# KiCad board BB3plus CM5 STM32H7 module.kicad_pcb (continued)
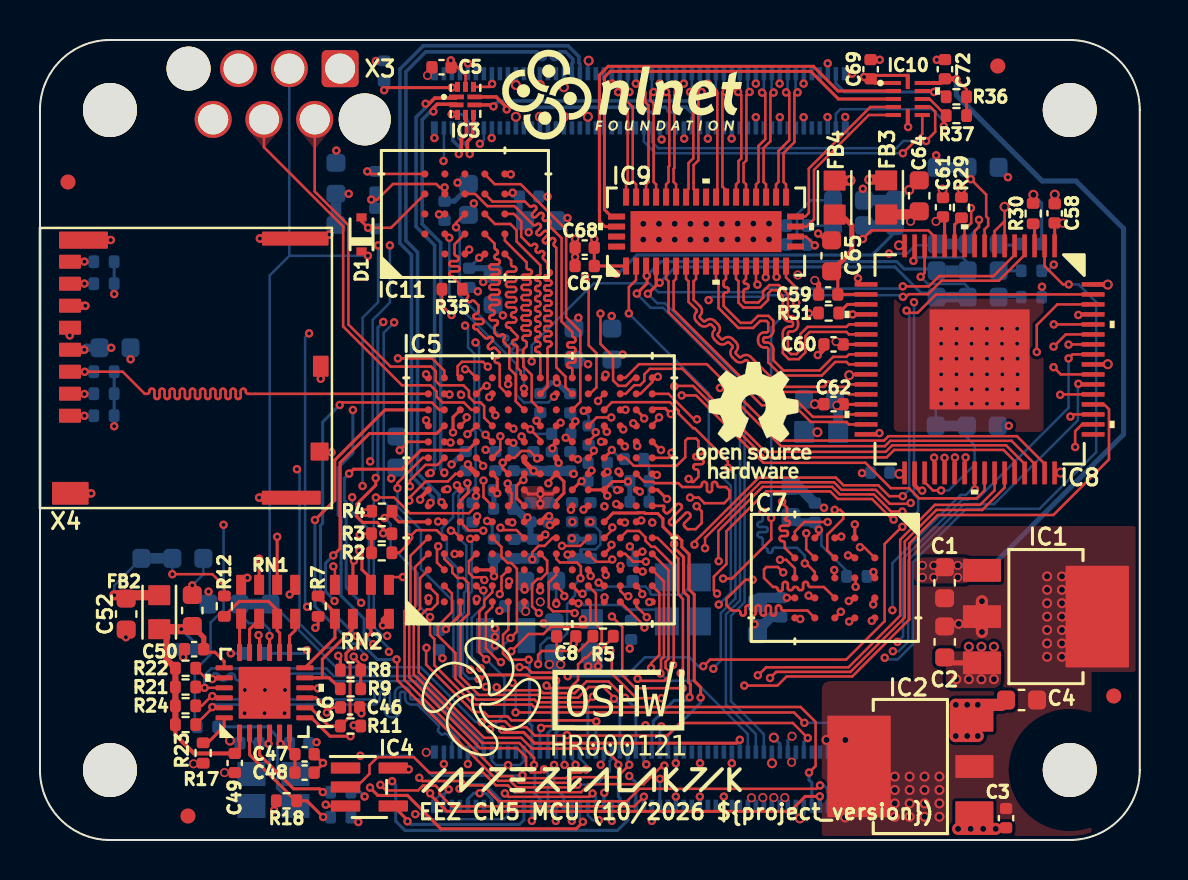
[diagram p0: board, top side]
## Routing (per net, layer and track width the routed paths; a pad name or vN(x,y) marks a point on that pad's centre or on a via; arc(x,y) is an arc through that point) (continued)
  In2signal.Cu w0.127: v1(27.91,21.95) 28.05,22.09 28.66,22.09 29.28,22.71 31.69,22.71 v1(31.72,22.68)
LTDC_HSYNC: length 43
  Top w0.127: 22.18,15.49 21.44,15.49 IC5.C6 ; v1(43.16,27.16) 43.31,27.16 43.44,27.29 44.41,27.29 45.09,27.97 47.96,27.97 49.24,29.25 IC8.4
  Top w0.152: 22.18,15.49 22.18,15.47 v1(22.17,15.46)
  In2signal.Cu w0.127: v1(21.26,25.72) 21.37,25.83 25.53,25.83 26.42,26.72 33.02,26.72 33.29,26.99 v1(33.44,26.99)
  Bottom w0.127: v1(43.16,27.16) 43.02,27.16 42.94,27.24 36.29,27.24 36.21,27.16 33.6,27.16 v1(33.44,26.99) ; v1(22.17,15.46) 22.16,15.45 21.33,15.45 21.15,15.63 21.15,17.13 21.38,17.36 21.43,17.36 21.78,17.71 21.78,18.19 21.79,18.19 21.79,20.41 21.73,20.47 21.73,24.31 21.41,24.63 21.41,25.57 v1(21.26,25.72)
LTDC_R0: length 32.3
  Top w0.127: IC8.43 48.24,17.62 47.12,16.5 44.83,16.5 43.25,14.92 43.25,11.13 40.53,8.4 36.81,8.4 v1(36.51,8.1) ; v1(26.22,12.19) 26.22,12.31 IC5.J2
  In2signal.Cu w0.127: v1(26.22,12.19) 26.22,10.79 26.8,10.21 29.38,10.21 29.65,9.95 29.65,9.95 29.87,9.73 29.87,9.72 30.18,9.41 33.91,9.41 35.2,8.12 35.48,8.12 35.74,7.86 36.27,7.86 v1(36.51,8.1)
LTDC_R1: length 33
  Top w0.127: IC5.J3 25.82,13.26 25.44,12.88 25.44,11.65 25.66,11.43 26.65,11.43 v1(26.74,11.35) ; v1(35.9,8.24) 35.92,8.24 36.31,8.63 40.43,8.63 43.02,11.22 43.02,15.02 44.76,16.76 47.02,16.76 47.74,17.48 IC8.42
  In2signal.Cu w0.127: v1(35.9,8.24) 35.76,8.38 35.3,8.38 33.66,10.02 29.9,10.02 29.74,10.17 29.74,10.17 29.47,10.44 26.97,10.44 26.74,10.67 v1(26.74,11.35)
LTDC_R2: length 37.1
  Top w0.127: IC5.B3 19.86,13.87 19.86,14.63 v1(19.92,14.69) ; IC8.41 47.24,17.48 46.84,17.08 43.97,17.08 43.46,17.59 42.55,17.59 41.28,18.86 36.18,18.86 32.81,22.23 v1(32.09,22.23)
  In2signal.Cu w0.127: v1(32.09,22.23) 29.14,22.23 28.67,21.76 28.29,21.76 27.02,20.49 25.73,20.49 24.96,19.72 24.96,19.72 24.26,19.02 24.25,19.02 23.79,18.56 23.79,16.29 24.01,16.07 24.01,15.44 23.28,14.71 21.69,14.71 21.67,14.69 19.92,14.69 v1(19.92,14.69)
LTDC_R3: length 26.8
  Top w0.127: v1(46.76,17.52) 46.74,17.54 IC8.40 ; IC5.M3 28.3,13.43 v1(28.3,13.25)
  In2signal.Cu w0.127: v1(42.63,11.49) 42.63,10.88 41.4,9.65 35.92,9.65 35.32,10.25 35.32,11.04 34.4,11.97 34.4,12.46 34.16,12.69 34,12.69 33.67,13.03 28.52,13.03 v1(28.3,13.25)
  Bottom w0.127: v1(46.76,17.52) 46.58,17.52 46.3,17.25 46.04,17.25 42.63,13.85 v1(42.63,11.49)
LTDC_R4: length 33.5
  Top w0.127: IC8.39 46.24,19.08 v1(46.29,19.13)
  Top w0.152: v1(20.74,14.3) 20.74,14.31 IC5.C4 21.08,14.31
  In2signal.Cu w0.127: v1(20.74,14.3) 21.61,14.3 21.78,14.48 23.4,14.48 24.79,15.87 24.79,16.06 26.32,17.59 26.32,19.46 28.36,21.5 28.74,21.5 29.17,21.94 31.77,21.94 31.88,21.83 32.34,21.83 33.49,22.98 35.63,22.98 39.38,19.23 44.06,19.23 44.57,18.72 45.88,18.72 v1(46.29,19.13)
LTDC_R5: length 27.1
  Top w0.127: v1(24.09,20.18) 24.04,20.13 24.04,20.08 IC5.G11 ; v1(45.76,19.12) 45.74,19.11 IC8.38
  In2signal.Cu w0.127: 26.86,22.59 26.99,22.73 ; 26.86,22.59 27.05,22.79 28.39,22.79 29.61,24.01 35.6,24.01 38.32,21.29 39.35,21.29 40.72,19.92 45.09,19.92 45.76,19.25 v1(45.76,19.12) ; 26.86,22.59 26.05,21.79 25.06,21.79 24.09,20.82 v1(24.09,20.18)
LTDC_R6: length 28.8
  Top w0.127: IC5.E10 23.02,19.51 v1(23.02,20.19) ; IC8.37 45.24,19.11 v1(45.24,19.11)
  In2signal.Cu w0.127: v1(45.24,19.11) 45.24,19.17 44.72,19.69 40.62,19.69 39.25,21.06 38.22,21.06 35.51,23.77 29.69,23.77 28.48,22.56 27.15,22.56 26.15,21.56 25.6,21.56 25.29,21.25 25.29,20.7 24.07,19.48 23.3,19.48 23.02,19.76 v1(23.02,20.19)
LTDC_R7: length 29.5
  Top w0.127: v1(44.71,19.12) 44.74,19.09 IC8.36 ; v1(20.53,19.87) 20.5,19.91 IC5.B11
  In2signal.Cu w0.127: v1(20.53,19.87) 20.54,19.88 22.57,19.88 23.2,19.25 24.16,19.25 25.52,20.61 25.52,20.61 25.52,21.15 25.7,21.33 26.25,21.33 27.25,22.33 28.58,22.33 29.79,23.54 35.41,23.54 38.12,20.83 39.15,20.83 40.52,19.46 44.37,19.46 v1(44.71,19.12)
  Bottom w0.127: v1(44.71,19.12) 44.71,19.12
LTDC_VSYNC: length 34
  Top w0.127: v1(21.34,21.14) 21.38,21.1 21.38,21.06 IC5.C12 ; v1(43.15,27.68) 43.15,27.68 44.45,27.68 44.97,28.2 47.69,28.2 48.74,29.25 IC8.5
  In2signal.Cu w0.127: v1(21.34,21.14) 21.39,21.18 21.42,21.18 21.6,21 22.47,21 22.68,20.79 23.01,20.79 24.59,22.38 24.59,22.99 24.59,22.99 v1(24.59,23.93)
  Bottom w0.127: v1(43.15,27.68) 43.04,27.57 36.26,27.57 36.08,27.39 30.92,27.39 30.47,27.84 27.7,27.84 24.59,24.73 v1(24.59,23.93) 24.51,24.01
MCU_USB_ID: length 22.9
  Top w0.127: v1(20.37,17.54) 20.27,17.54 20.24,17.51 IC5.B8
  In2signal.Cu w0.127: v1(16.51,18.93) 16.52,18.92 18.15,18.92 19.61,17.46 20.21,17.46 20.26,17.5 20.33,17.5 v1(20.37,17.54) ; v1(17.5,29.73) 17.5,31.27 v1(20.18,33.95)
  Bottom w0.127: v1(17.5,29.73) 17.5,26.87 16.64,26.01 16.64,19.17 16.51,19.04 v1(16.51,18.93) ; X2.101 20.2,33.97 v1(20.18,33.95) ; v1(20.37,17.54) 20.37,17.6
MCU_USB_VBUS: length 27.1
  Top w0.127: v1(18.47,16.97) 18.52,17.02 18.52,17.16 19.29,17.93 20.4,17.93 20.76,18.29 20.76,18.3 20.77,18.31 IC5.C9
  In2signal.Cu w0.127: v1(22,34.81) 20.47,34.81 16.91,31.25 v1(16.91,29.73) ; v1(16.13,17.7) 17.07,17.7 17.8,16.97 v1(18.47,16.97)
  Bottom w0.127: v1(16.91,29.73) 16.91,26.89 16.13,26.11 v1(16.13,17.7) ; X2.111 22.2,35.01 v1(22,34.81)
REAR_DVID_CEC: length 16.2
  Top w0.127: v1(43.15,34.34) 44.12,35.31 IC10.7
  Bottom w0.127: X2.151 30.2,34.92 30.78,34.34 v1(43.15,34.34)
REAR_DVID_CLK_N: length 6.7
  Top w0.127: IC9.22 37.31,32.78 37.19,32.91 37.19,34.35 37.73,34.89 37.73,37.35 37.89,37.51
  Bottom w0.127: 37.8,38.5 37.79,38.49 37.79,37.61 37.89,37.51
  vias: v1(37.89,37.38)
REAR_DVID_CLK_P: length 6.7
  Top w0.127: 37.31,37.51 37.47,37.35 37.47,34.99 36.93,34.45 36.93,32.91 36.81,32.78 IC9.23
  Bottom w0.127: 37.39,38.49 37.39,37.59 37.31,37.51
  vias: v1(37.31,37.38)
REAR_DVID_HPD: length 17.1
  Top w0.127: v1(44.31,34.95) 44.77,35.41 44.77,36.42 44.54,36.65 IC10.8
  Bottom w0.127: X2.153 30.6,34.91 30.92,34.59 42.82,34.59 43.18,34.95 v1(44.31,34.95)
REAR_DVID_SCL: length 6.8
  Top w0.127: 44.23,37.45 44.66,37.45 v1(44.71,37.4) 45.08,37.4 R36.1
  Bottom w0.152: X2.200 39.8,37.83 40.23,37.4 v1(44.71,37.4)
REAR_DVID_SDA: length 8.6
  Top w0.127: 44.5,37.05 IC10.9 44.49,37.05 R37.1
  Bottom w0.127: v1(45.2,35.7) 45.2,35.95 44.61,36.54 40.03,36.54 39.8,36.31 X2.199
REAR_DVID_TX0_N: length 6.7
  Top w0.127: IC9.24 36.31,32.78 36.19,32.91 36.19,34.6 36.53,34.94 36.53,37.34 36.69,37.5
  Bottom w0.127: 36.69,37.5 36.59,37.6 36.59,38.49 36.6,38.5
  vias: v1(36.69,37.37)
REAR_DVID_TX0_P: length 6.7
  Top w0.127: 36.11,37.5 36.27,37.34 36.27,35.04 35.93,34.7 35.93,32.91 35.81,32.78 IC9.25
  Bottom w0.127: 36.11,37.5 36.2,37.59 36.2,38.5
  vias: v1(36.11,37.37)
REAR_DVID_TX1_N: length 6.5
  Top w0.127: 35.49,37.48 35.49,37.51 ; v1(35.49,37.4) 35.33,37.24 35.33,33.98 35.19,33.84 35.19,32.91 35.31,32.78 IC9.26
  Bottom w0.127: 35.49,37.51 35.4,37.6 35.4,38.5
REAR_DVID_TX1_P: length 6.5
  Top w0.127: v1(34.91,37.4) 35.07,37.24 35.07,34.08 34.93,33.94 34.93,32.91 34.81,32.78 IC9.27 ; 34.93,37.49 34.91,37.51
  Bottom w0.127: 34.91,37.51 35,37.6 35,38.5
REAR_DVID_TX2_N: length 6.5
  Top w0.127: IC9.28 34.31,32.49 34.13,32.67 34.13,37.35 34.29,37.51
  Bottom w0.127: 34.2,38.5 34.2,37.6 34.29,37.51
  vias: v1(34.29,37.4)
REAR_DVID_TX2_P: length 6.5
  Top w0.127: IC9.29 33.87,32.21 33.87,37.35 33.71,37.51
  Bottom w0.127: 33.8,38.5 33.8,37.6 33.71,37.51
  vias: v1(33.71,37.4)
RS485_RX/DIN3: length 40.8
  Top w0.152: IC5.C13 20.66,21.14 v1(20.66,20.38) ; v1(27.15,0.91) 27.15,0.89 26.82,0.56 20.05,0.56 18.38,2.23 16.89,2.23 v1(16.5,2.62)
  In2signal.Cu w0.152: v1(16.5,2.62) 16.48,2.64 16.48,8.87 v1(16.21,9.14) ; v1(12.85,18.54) 14.68,20.37 20.65,20.37 v1(20.66,20.38)
  Bottom w0.127: v1(12.85,18.54) 12.98,18.41 12.98,10.82 14.19,9.62 15.36,9.62 15.41,9.56 15.99,9.56 16.21,9.33 v1(16.21,9.14) ; v1(27.15,0.91) 27,1.06 X1.35
RS485_TX/DOUT3: length 38.4
  Top w0.127: v1(14.99,21.75) 15.12,21.88 19.6,21.88 19.97,21.51 IC5.B13 ; v1(27.31,3.53) 27.21,3.53 27.05,3.37 26.59,3.37 26.31,3.09 24.28,3.09 v1(24.13,3.24)
  In2signal.Cu w0.127: v1(16.02,4.21) 15.78,4.21 14.75,5.24 14.75,7.81 14.54,8.02 14.54,9.42 15.32,10.2 v1(15.83,10.2)
  Bottom w0.127: v1(27.31,3.53) 27.31,3.77 27,4.08 X1.36 ; v1(24.13,3.24) 24.11,3.22 19.62,3.22 18.63,4.21 v1(16.02,4.21)
  Bottom w0.152: 15.66,10.36 14.03,12 14.03,15.73 14.14,15.84 14.14,20.9 v1(14.99,21.75)
RS485_TX_EN/DOUT2: length 33.5
  Top w0.127: IC5.M13 28.6,21.89 31.51,21.89 31.94,21.46 31.94,21.32 32.67,20.59 32.74,20.59 34.4,18.93 v1(34.4,18.61)
  In2signal.Cu w0.152: v1(33.68,8.56) 33.65,8.54 33.65,3.54 32.75,2.64 31.41,2.64 29.26,0.49 26.27,0.49 v1(25.8,0.96)
  Bottom w0.127: v1(34.4,18.61) 34.78,18.23 34.78,12.64 34.78,12.63 34.78,12.08 34.05,11.35 34.05,8.97 33.68,8.6 v1(33.68,8.56)
  Bottom w0.152: 25.8,1.5 v1(25.8,0.96)
RTC_CM5: length 25.6
  Top w0.127: v1(22.18,12.48) 22.05,12.48 IC5.D2 ; v1(23.79,6.38) 37.71,6.38 v1(38.23,5.86)
  In2signal.Cu w0.127: v1(22.03,8.59) 22.8,8.59 23.54,7.85 23.64,7.85 v1(23.64,7.86)
  Bottom w0.127: v1(38.23,5.86) 39.44,5.86 39.8,5.5 X1.100 ; 22,8.76 21.59,9.17 21.59,11.1 22.22,11.73 22.22,12.44 v1(22.18,12.48) ; v1(23.64,7.86) 23.79,7.71 23.79,6.38 v1(23.79,6.38)
SCL: length 73.2
  Top w0.127: IC5.C5 20.66,15.47 v1(20.55,15.47)
  Top w0.152: 17.15,15.45 17.16,15.46 ; 17.15,15.45 17.16,15.46 ; 17.15,15.45 17.16,15.45 ; 17.15,15.45 17.16,15.45 ; 17.16,15.46 17.16,15.46 ; 17.16,15.46 17.16,15.46 ; 17.16,15.47 17.16,15.47 ; 17.16,15.47 17.16,15.47 ; 17.16,15.47 17.16,15.47 ; 17.16,15.47 17.16,15.47 ; 17.16,15.47 17.16,15.47 ; 17.16,15.47 17.16,15.47 ; 17.16,15.48 17.16,15.48 ; 17.16,15.48 17.16,15.48 ; 17.16,15.48 17.16,15.48 ; 17.16,15.48 17.16,15.48 ; 17.16,15.48 17.16,15.47 ; 17.16,15.48 17.16,15.47 ; 17.12,15.4 17.16,15.44 ; 17.12,15.4 17.14,15.4 ; 17.12,15.4 17.16,15.44 ; 17.12,15.4 17.14,15.4 ; 17.16,15.44 17.16,15.44 ; 17.16,15.44 17.16,15.44 ; 17.16,15.49 17.16,15.49 ; 17.16,15.49 17.16,15.49 ; 17.16,15.49 17.16,15.49 ; 17.16,15.49 17.16,15.49 ; 17.16,15.49 17.16,15.58 16.86,15.88 16.14,15.88 15.85,16.17 15.85,16.8 16.79,17.74 v1(16.79,18.1) ; 17.16,15.49 17.42,15.49 R3.1 ; 17.14,15.4 17.15,15.39 ; 17.14,15.4 17.15,15.39 ; 17.16,15.44 17.16,15.45 ; 17.16,15.44 17.16,15.44 ; 17.16,15.44 17.16,15.44 ; 17.16,15.44 17.16,15.45 ; 17.16,15.45 17.16,15.45 ; 17.16,15.45 17.16,15.45 ; 17.16,15.49 17.16,15.48 ; 17.16,15.49 17.16,15.48 ; 17.16,15.47 17.16,15.47 ; 17.16,15.47 17.16,15.47 ; 17.16,15.47 17.16,15.47 ; 17.16,15.47 17.16,15.47 ; 17.16,15.47 17.16,15.46 ; 17.16,15.47 17.16,15.46 ; 17.16,15.37 17.15,15.38 ; 17.16,15.37 17.16,15.37 ; 17.16,15.37 17.16,15.37 ; 17.16,15.37 17.15,15.38 ; 17.15,15.38 17.15,15.39 ; 17.15,15.38 17.15,15.39 ; 17.16,15.44 17.16,15.44 ; 17.16,15.44 17.16,15.44 ; 17.16,15.46 17.16,15.46 ; 17.16,15.46 17.16,15.46 ; 17.16,15.48 17.16,15.48 ; 17.16,15.48 17.16,15.48 ; 17.16,15.48 17.16,15.48 ; 17.16,15.48 17.16,15.48 ; 17.16,15.35 17.16,15.35 ; 17.16,15.35 17.16,15.34 ; 17.16,15.35 17.16,15.35 ; 17.16,15.35 17.16,15.34 ; 17.16,15.35 17.16,15.36 ; 17.16,15.35 17.16,15.36 ; 17.16,15.45 17.16,15.45 ; 17.16,15.45 17.16,15.45 ; 17.16,15.34 v1(17.16,15.33) 17.16,15.34 ; 17.16,15.46 17.16,15.46 ; 17.16,15.46 17.16,15.46 ; 17.16,15.37 17.16,15.37 ; 17.16,15.37 17.16,15.37 ; 17.16,15.36 17.16,15.37 ; 17.16,15.36 17.16,15.37 ; IC9.3 30.31,28.12 30.31,28.12 30.33,28.12 30.34,28.13 v1(30.34,28.21) 30.36,28.19 30.36,27.83 29.85,27.32 v1(29.85,27.32)
  In2signal.Cu w0.127: v1(17.16,15.33) 17.34,15.51 20.49,15.51 20.5,15.5 ; v1(29.85,27.32) 26.18,27.32 25.83,26.97 18.24,26.97 v1(17.17,25.9)
  In2signal.Cu w0.152: 30.36,28.11 30.36,28.19 v1(30.34,28.21)
  Bottom w0.127: 35.8,4.58 35.8,5.29 34.3,6.79 34.3,11.28 35.01,11.98 35.01,12.54 35.01,12.54 35.01,22.76 31.16,26.61 30.54,26.61 29.85,27.3
  Bottom w0.152: v1(30.34,28.21) 31.05,28.92 42.85,28.92 43.22,28.55 44.75,28.55 44.84,28.46 ; v1(17.17,25.9) 16.9,25.63 16.9,18.21 v1(16.79,18.1)
SDA: length 70.9
  Top w0.127: R2.1 17.96,14.36 18.46,14.86 v1(18.46,15.13) 18.82,15.49 19.84,15.49 IC5.B5
  Top w0.152: IC9.4 30.81,28.25 ; 30.81,28.25 30.81,28.04 v1(30.99,27.86) ; 30.81,28.25 30.81,27.72 v1(30.4,27.31)
  In2signal.Cu w0.127: 30.44,27.31 v1(30.4,27.31) 30.04,26.95 26.25,26.95 25.94,26.64 18.47,26.64 v1(17.71,25.88)
  In2signal.Cu w0.152: 31.03,27.82 31.03,27.83 v1(30.99,27.86)
  Bottom w0.127: v1(30.4,27.31) 30.87,26.84 31.25,26.84 35.24,22.86 35.24,12.45 35.24,12.45 35.24,11.89 34.56,11.21 34.56,6.93 36.2,5.29 36.2,4.58 ; v1(18.46,15.13) 18.46,15.65 17.19,16.92 17.19,25.36 v1(17.71,25.88)
  Bottom w0.152: 44.84,27.35 44.06,27.35 42.76,28.65 31.78,28.65 v1(30.99,27.86)
SDMMC_CLK: length 25.4
  Top w0.127: IC5.D12 21.41,20.3 v1(21.38,20.3)
  In2signal.Cu w0.127: v1(21.38,20.3) 21.27,20.3 20.81,20.76 19.93,20.76 19.78,20.61 14.58,20.61 14.56,20.59 7.62,20.59 7.29,20.27 2.22,20.27 1.46,21.03 1.46,25.2 v1(1.49,25.23)
SDMMC_CMD: length 26.7
  Top w0.127: v1(2.24,23.41) 2.24,23.41 4.14,23.41 5.24,22.31 5.37,22.31 arc(5.44,22.34) 5.47,22.41 5.47,22.46 arc(5.5,22.53) 5.57,22.56 5.62,22.56 arc(5.69,22.53) 5.72,22.46 5.72,22.15 arc(5.75,22.08) 5.82,22.05 5.88,22.05 arc(5.95,22.08) 5.98,22.15 5.98,22.46 arc(6.01,22.53) 6.08,22.56 6.13,22.56 arc(6.2,22.53) 6.23,22.46 6.23,22.15 arc(6.26,22.08) 6.33,22.05 6.38,22.05 arc(6.46,22.08) 6.48,22.15 6.48,22.46 arc(6.51,22.53) 6.59,22.56 6.64,22.56 arc(6.71,22.53) 6.74,22.46 6.74,22.15 arc(6.77,22.08) 6.84,22.05 6.89,22.05 arc(6.96,22.08) 6.99,22.15 6.99,22.46 arc(7.02,22.53) 7.09,22.56 7.15,22.56 arc(7.22,22.53) 7.25,22.46 7.25,22.15 arc(7.28,22.08) 7.35,22.05 7.4,22.05 arc(7.47,22.08) 7.5,22.15 7.5,22.46 arc(7.53,22.53) 7.6,22.56 7.65,22.56 arc(7.73,22.53) 7.75,22.46 7.75,22.15 arc(7.78,22.08) 7.86,22.05 7.91,22.05 arc(7.98,22.08) 8.01,22.15 8.01,22.46 arc(8.04,22.53) 8.11,22.56 8.16,22.56 arc(8.23,22.53) 8.26,22.46 8.26,22.15 arc(8.29,22.08) 8.36,22.05 8.42,22.05 arc(8.49,22.08) 8.52,22.15 8.52,22.46 arc(8.55,22.53) 8.62,22.56 8.67,22.56 arc(8.74,22.53) 8.77,22.46 8.77,22.15 arc(8.8,22.08) 8.87,22.05 8.92,22.05 arc(9,22.08) 9.02,22.15 9.02,22.46 arc(9.05,22.53) 9.13,22.56 9.18,22.56 arc(9.25,22.53) 9.28,22.46 9.28,22.15 arc(9.31,22.08) 9.38,22.05 9.43,22.05 arc(9.5,22.08) 9.53,22.15 9.53,22.46 arc(9.56,22.53) 9.63,22.56 9.69,22.56 arc(9.76,22.53) 9.79,22.46 9.79,22.15 arc(9.82,22.08) 9.89,22.05 9.94,22.05 arc(10.01,22.08) 10.04,22.15 10.04,22.46 arc(10.07,22.53) 10.14,22.56 10.19,22.56 arc(10.27,22.53) 10.29,22.46 10.29,22.41 arc(10.32,22.34) 10.4,22.31 IC5.A14
  Top w0.152: X4.3 1.51,23.41 v1(2.24,23.41)
  Bottom w0.152: v1(2.24,23.41) 2.24,23.41 R16.2
SDMMC_D0: length 25
  Top w0.127: v1(2.22,27.82) 1.51,27.82 X4.7 ; v1(21.26,23.53) 21.39,23.53 IC5.D15
  In2signal.Cu w0.127: v1(21.26,23.53) 21.26,23.71 20.29,24.68 7.76,24.68 4.62,27.82 4.44,27.82 arc(4.37,27.85) 4.34,27.92 4.34,27.97 arc(4.31,28.04) 4.23,28.07 4.18,28.07 arc(4.11,28.04) 4.08,27.97 4.08,27.74 arc(4.06,27.69) 4.01,27.67 3.91,27.67 arc(3.85,27.69) 3.83,27.74 3.83,27.97 arc(3.8,28.04) 3.73,28.07 3.68,28.07 arc(3.6,28.04) 3.57,27.97 3.57,27.72 arc(3.54,27.65) 3.47,27.62 3.42,27.62 arc(3.35,27.65) 3.32,27.72 3.32,27.97 arc(3.29,28.04) 3.22,28.07 3.17,28.07 arc(3.1,28.04) 3.07,27.97 3.07,27.67 arc(3.04,27.6) 2.96,27.57 2.91,27.57 arc(2.84,27.6) 2.81,27.67 2.81,27.72 arc(2.78,27.79) 2.71,27.82 v1(2.22,27.82)
  Bottom w0.152: R14.2 2.23,27.81 v1(2.22,27.82)
SDMMC_D1: length 25
  Top w0.127: X4.8 1.51,28.92 v1(2.22,28.92) ; v1(22.47,22.14) 22.62,22.3 IC5.E14
  In2signal.Cu w0.127: v1(2.22,28.92) 4.34,28.92 8.35,24.91 20.42,24.91 21.75,23.58 21.75,22.73 22.34,22.14 v1(22.47,22.14)
  Bottom w0.152: v1(2.22,28.92) 2.23,28.91 R15.2
SDMMC_D2: length 25.1
  Top w0.127: IC5.B14 20.25,22.28 v1(20.48,22.28) ; v1(2.22,21.21) 1.51,21.21 X4.1
  In2signal.Cu w0.127: v1(2.22,21.21) 2.84,21.21 arc(2.91,21.24) 2.94,21.31 2.94,21.36 arc(2.97,21.43) 3.04,21.46 3.1,21.46 arc(3.17,21.43) 3.2,21.36 3.2,21.06 arc(3.23,20.99) 3.3,20.96 3.35,20.96 arc(3.42,20.99) 3.45,21.06 3.45,21.36 arc(3.48,21.43) 3.55,21.46 3.6,21.46 arc(3.68,21.43) 3.7,21.36 3.7,21.31 arc(3.73,21.24) 3.81,21.21 3.86,21.21 arc(3.93,21.24) 3.96,21.31 3.96,21.36 arc(3.99,21.43) 4.06,21.46 4.11,21.46 arc(4.18,21.43) 4.21,21.36 4.21,21.06 arc(4.24,20.99) 4.31,20.96 4.37,20.96 arc(4.44,20.99) 4.47,21.06 4.47,21.36 arc(4.5,21.43) 4.57,21.46 4.62,21.46 arc(4.69,21.43) 4.72,21.36 4.72,21.06 arc(4.75,20.99) 4.82,20.96 4.87,20.96 arc(4.95,20.99) 4.97,21.06 4.97,21.36 arc(5,21.43) 5.08,21.46 5.13,21.46 arc(5.2,21.43) 5.23,21.36 5.23,21.06 arc(5.26,20.99) 5.33,20.96 5.38,20.96 arc(5.45,20.99) 5.48,21.06 5.48,21.36 arc(5.51,21.43) 5.58,21.46 5.64,21.46 arc(5.71,21.43) 5.74,21.36 5.74,21.06 arc(5.77,20.99) 5.84,20.96 5.89,20.96 arc(5.96,20.99) 5.99,21.06 5.99,21.36 arc(6.02,21.43) 6.09,21.46 6.14,21.46 arc(6.22,21.43) 6.24,21.36 6.24,21.31 arc(6.27,21.24) 6.35,21.21 6.87,21.21 7.94,22.28 v1(20.48,22.28) 20.47,22.29
  Bottom w0.152: R10.2 2.22,21.21 v1(2.22,21.21)
SDMMC_D3: length 25.1
  Top w0.127: IC5.B15 20.22,23.47 19.61,24.08 v1(17.9,24.08) ; X4.2 1.52,22.3 v1(2.22,22.3)
  In2signal.Cu w0.127: v1(17.9,24.08) 7.6,24.08 5.83,22.31 5.63,22.31 arc(5.56,22.34) 5.53,22.41 5.53,22.46 arc(5.5,22.53) 5.43,22.56 5.38,22.56 arc(5.3,22.53) 5.27,22.46 5.27,22.16 arc(5.24,22.09) 5.17,22.06 5.12,22.06 arc(5.05,22.09) 5.02,22.16 5.02,22.46 arc(4.99,22.53) 4.92,22.56 4.87,22.56 arc(4.8,22.53) 4.77,22.46 4.77,22.16 arc(4.74,22.09) 4.66,22.06 4.61,22.06 arc(4.54,22.09) 4.51,22.16 4.51,22.46 arc(4.48,22.53) 4.41,22.56 4.36,22.56 arc(4.29,22.53) 4.26,22.46 4.26,22.16 arc(4.23,22.09) 4.16,22.06 4.11,22.06 arc(4.03,22.09) 4,22.16 4,22.46 arc(3.97,22.53) 3.9,22.56 3.85,22.56 arc(3.78,22.53) 3.75,22.46 3.75,22.16 arc(3.72,22.09) 3.65,22.06 3.6,22.06 arc(3.53,22.09) 3.5,22.16 3.5,22.46 arc(3.47,22.53) 3.39,22.56 3.34,22.56 arc(3.27,22.53) 3.24,22.46 3.24,22.16 arc(3.21,22.09) 3.14,22.06 3.09,22.06 arc(3.02,22.09) 2.99,22.16 2.99,22.46 arc(2.96,22.53) 2.89,22.56 2.84,22.56 arc(2.76,22.53) 2.73,22.46 2.73,22.41 arc(2.7,22.34) 2.63,22.31 2.23,22.31 v1(2.22,22.3)
  Bottom w0.152: R13.2 2.23,22.31 v1(2.22,22.3)
TFT_DVID_CLK_N: length 6.6
  Top w0.127: 33.09,37.51 32.93,37.35 32.93,33.98 32.69,33.74 32.69,32.87 32.69,32.87 32.69,32.54 32.81,32.42 IC9.31
  Bottom w0.127: 33.09,37.51 33,37.6 33,38.5
  vias: v1(33.09,37.4)
TFT_DVID_CLK_P: length 6.6
  Top w0.127: IC9.32 32.31,32.42 32.43,32.54 32.43,32.77 32.43,33.85 32.67,34.09 32.67,37.35 32.51,37.51
  Bottom w0.127: 32.51,37.51 32.6,37.6 32.6,38.5
  vias: v1(32.51,37.4)
TFT_DVID_TX0_N: length 6.4
  Top w0.127: v1(31.89,37.4) 31.73,37.24 31.73,33.6 31.69,33.56 31.69,32.91 31.81,32.78 IC9.33
  Bottom w0.127: 31.89,37.51 31.8,37.6 31.8,38.5
TFT_DVID_TX0_P: length 6.4
  Top w0.127: IC9.34 31.31,32.78 31.43,32.91 31.43,33.66 31.47,33.7 31.47,37.24 v1(31.31,37.4)
  Bottom w0.127: 31.31,37.51 31.4,37.6 31.4,38.5
TFT_DVID_TX1_N: length 6.6
  Top w0.127: 30.69,37.52 30.53,37.36 30.53,36.99 30.69,36.83 30.69,32.91 30.81,32.78 IC9.35
  Bottom w0.127: 30.69,37.52 30.6,37.61 30.6,38.5
  vias: v1(30.69,37.4)
TFT_DVID_TX1_P: length 6.6
  Top w0.127: IC9.36 30.31,32.78 30.43,32.91 30.43,36.73 30.27,36.89 30.27,37.36 30.11,37.52
  Bottom w0.127: 30.11,37.52 30.2,37.61 30.2,38.5
  vias: v1(30.11,37.4)
TFT_DVID_TX2_N: length 6.7
  Top w0.127: 29.49,37.54 29.33,37.38 29.33,36.96 29.64,36.65 29.64,32.95 29.81,32.78 IC9.37
  Bottom w0.127: 29.49,37.54 29.4,37.63 29.4,38.5
  vias: v1(29.48,37.4)
TFT_DVID_TX2_P: length 6.6
  Top w0.127: 28.91,37.54 29.07,37.38 29.07,36.86 29.39,36.54 29.39,32.86 29.31,32.78 IC9.38
  Bottom w0.127: 28.91,37.54 29,37.63 29,38.5
  vias: v1(28.91,37.39)
UART_RX/DIN1: length 16.3
  Top w0.152: v1(33.04,7.12) 33.04,7.64 32.72,7.96 32.72,12.27 32.46,12.53 32.46,14.28 32.1,14.65 32.1,14.97 31.87,15.2 31.62,15.2 31.15,15.67 31.15,16.06 30.89,16.32 30.27,16.32 30.23,16.36 29.91,16.36 29.9,16.35 28.66,16.35 IC5.M6
  Bottom w0.152: 31.4,4.58 31.4,5.22 33.04,6.86 v1(33.04,7.12)
UART_TX/DOUT1: length 15.5
  Top w0.127: v1(31.09,7.09) 31.08,7.09 29.83,7.09 28.6,8.32 28.6,9.38 v1(28.52,9.46) ; IC5.H4 25.36,13.96 25.36,13.36 25.05,13.05 24.88,13.05 24.61,12.78 24.61,11.68 24.94,11.35 v1(24.95,11.35)
  In2signal.Cu w0.127: v1(28.52,9.46) 28.48,9.42 26.23,9.42 25.68,9.98 25.68,10.89 25.25,11.31 24.99,11.31 v1(24.95,11.35) ; v1(31.09,7.09) 30.96,6.96 30.96,5.68 v1(31.07,5.68)
  Bottom w0.152: v1(31.07,5.68) 31.05,5.68 31,5.63 31,4.58
USB_FS_D+: length 33
  Bottom w0.178: v1(20.08,16.89) 19.96,17.01 19.96,17.26 18.88,18.33 18.88,29.38 18.3,29.96 18.3,38.42 19.29,39.41 24.84,39.41 arc(24.93,39.37) 24.96,39.28 24.96,39.15 arc(25,39.06) 25.09,39.03 25.15,39.03 arc(25.23,39.06) 25.27,39.15 25.27,39.28 arc(25.3,39.37) 25.39,39.41 25.45,39.41 arc(25.54,39.37) 25.57,39.28 25.57,39.15 arc(25.61,39.06) 25.7,39.03 25.76,39.03 arc(25.84,39.06) 25.88,39.15 25.88,39.28 arc(25.91,39.37) 26,39.41 26.28,39.41 26.65,39.04 26.65,38.87 26.6,38.82 X2.134
USB_FS_D-: length 33.1
  Top w0.127: IC5.A7 19.42,16.78 19.5,16.86 v1(19.53,16.86)
  Bottom w0.178: 19.53,16.89 19.65,17.01 19.65,17.13 18.58,18.21 18.58,29.26 18,29.84 18,38.54 19.17,39.71 26.41,39.71 26.95,39.17 26.95,38.86 27,38.81 X2.136
USB_HS_D+: length 21
  Top w0.127: IC5.A9 19.53,18.42
  Top w0.178: v1(19.29,36.81) 19.46,36.81 19.74,37.1 20.8,37.1 20.86,37.16
  Bottom w0.178: v1(19.54,18.35) 19.73,18.54 19.73,19.03 19.74,19.03 19.74,29.74 18.81,30.67 18.81,36.14 19.29,36.62 v1(19.29,36.81)
USB_HS_D-: length 20
  Top w0.127: IC5.B9 v1(20.22,18.37)
  Top w0.178: v1(19.67,36.43) 19.67,36.6 19.87,36.79 20.79,36.79 IC3.2
  Bottom w0.178: 20.13,18.45 20.03,18.54 20.03,18.9 20.04,18.9 20.04,29.87 19.11,30.79 19.11,36.02 19.47,36.37
USB_HS_SEL: length 22.9
  Top w0.127: IC5.L14 27.51,22.31 27.83,22.63 27.83,24.34 27.44,24.73 27.44,28.03 v1(27.26,28.21) ; v1(20.6,37.62) 20.84,37.62 IC3.10
  Top w0.152: v1(20.6,37.62) 17.34,37.62 v1(17.21,37.49)
  In2signal.Cu w0.127: v1(20.6,37.62) 20.84,37.62 27.27,31.19 27.27,28.22 v1(27.26,28.21)
  Bottom w0.152: R1.2 v1(17.21,37.49)
VMUX_EN: length 24
  Top w0.127: IC5.P2 30.12,12.4 30.12,12.3 v1(30.12,12.29) ; IC9.2 29.81,28 29.45,27.64 v1(29.45,26.33)
  In2signal.Cu w0.127: v1(33.95,11.77) 33.86,11.77 33.31,12.32 30.15,12.32 30.13,12.29 v1(30.12,12.29)
  Bottom w0.127: v1(33.95,11.77) 33.95,11.77 34.55,12.37 34.55,17.71 33.45,18.81 33.45,22.33 29.45,26.33 v1(29.45,26.33)
VMUX_SEL: length 22.3
  Top w0.127: v1(36.57,16.1) 36.57,15.03 34.61,13.07 v1(34.16,13.07) ; IC9.17 37.31,28.13 37.82,27.62 v1(37.82,26.86) ; IC5.P3 29.9,13.42 v1(30.14,13.42)
  In2signal.Cu w0.127: v1(34.16,13.07) 33.68,13.55 30.47,13.55 30.34,13.42 v1(30.14,13.42)
  Bottom w0.127: v1(37.82,26.86) 37.81,26.86 36.57,25.63 v1(36.57,16.1)
XSPI_M_P1_CLK: length 15.9
  Top w0.127: 30.71,19.11 31.43,19.11 31.59,19.26 v1(31.59,19.36) ; v1(40.41,14.23) 40.62,14.23 IC7.B2
  Top w0.152: v1(31.59,19.36) 31.59,19.24 31.57,19.22 ; IC5.R10 30.71,19.11
  In2signal.Cu w0.127: v1(40.41,14.23) 40.11,14.23 arc(40.04,14.2) 40.01,14.13 40.01,14.08 arc(39.98,14.01) 39.9,13.98 39.85,13.98 arc(39.78,14.01) 39.75,14.08 39.75,14.33 arc(39.72,14.4) 39.65,14.43 39.6,14.43 arc(39.53,14.4) 39.5,14.33 39.5,14.08 arc(39.47,14.01) 39.4,13.98 39.35,13.98 arc(39.27,14.01) 39.24,14.08 39.24,14.33 arc(39.21,14.4) 39.14,14.43 39.09,14.43 arc(39.02,14.4) 38.99,14.33 38.99,14.13 arc(38.96,14.06) 38.89,14.03 38.84,14.03 arc(38.77,14.06) 38.74,14.13 arc(38.71,14.2) 38.63,14.23 38.33,14.23 38.02,14.54 arc(37.97,14.56) 37.91,14.54 arc(37.86,14.52) 37.8,14.54 37.73,14.61 arc(37.71,14.66) 37.73,14.72 arc(37.76,14.77) 37.73,14.83 37.66,14.9 arc(37.61,14.92) 37.55,14.9 arc(37.5,14.87) 37.45,14.9 37.37,14.97 arc(37.35,15.02) 37.37,15.08 arc(37.4,15.13) 37.37,15.19 37.16,15.4 37.16,15.57 arc(37.13,15.64) 37.06,15.67 37.01,15.67 arc(36.94,15.7) 36.91,15.77 36.91,15.82 arc(36.94,15.89) 37.01,15.92 37.26,15.92 arc(37.33,15.95) 37.36,16.03 37.36,16.08 arc(37.33,16.15) 37.26,16.18 arc(37.19,16.21) 37.16,16.28 36.65,16.79 36.36,16.79 34.92,18.23 33.91,18.23 32.85,19.29 31.66,19.29 v1(31.59,19.36) ; v1(40.41,14.23) 40.44,14.26 v1(40.41,14.23)
XSPI_M_P1_DQS0: length 16.2
  Top w0.127: IC7.C3 39.72,13.13 v1(39.72,13.5)
  Top w0.152: v1(29.25,19.68) 29.24,19.68 IC5.N11
  In2signal.Cu w0.127: 29.23,19.64 29.76,19.12 29.96,19.12 30.22,18.85 31.16,18.85 31.26,18.76 32.74,18.76 33.76,17.73 34.25,17.73 arc(34.32,17.7) 34.39,17.73 arc(34.47,17.76) 34.54,17.73 34.57,17.69 arc(34.6,17.62) 34.57,17.55 arc(34.54,17.48) 34.57,17.41 34.61,17.37 arc(34.68,17.34) 34.75,17.37 34.79,17.41 arc(34.86,17.44) 34.93,17.41 34.97,17.37 arc(35,17.3) 34.97,17.23 34.93,17.19 arc(34.9,17.12) 34.93,17.05 34.97,17.01 arc(35.04,16.98) 35.11,17.01 35.15,17.05 arc(35.22,17.08) 35.29,17.05 35.33,17.01 arc(35.36,16.94) 35.33,16.87 35.29,16.83 arc(35.26,16.76) 35.29,16.69 35.33,16.65 arc(35.4,16.62) 35.47,16.65 35.51,16.69 arc(35.58,16.72) 35.65,16.69 35.69,16.65 arc(35.72,16.58) 35.69,16.51 35.65,16.47 arc(35.62,16.4) 35.65,16.33 37.65,14.33 37.65,13.83 38.11,13.37 38.5,13.37 38.63,13.5 arc(38.71,13.53) 38.73,13.6 38.73,13.65 arc(38.76,13.72) 38.84,13.75 38.89,13.75 arc(38.96,13.72) 38.99,13.65 38.99,13.35 arc(39.02,13.28) 39.09,13.25 39.14,13.25 arc(39.21,13.28) 39.24,13.35 39.24,13.4 arc(39.27,13.47) 39.34,13.5 v1(39.72,13.5)
  In2signal.Cu w0.152: 29.23,19.64 29.25,19.65 v1(29.25,19.68)
